# Altium PCB 10515.0501_主板(8拼版)_V1.0-20200907.PcbDoc (part 3 of 6)
Units mm, origin at the board's own origin, x right, y up, seen from the top; angles counter-clockwise.
Board outline 229.4 x 126.82 mm, 2 copper layers (Top Layer, Bottom Layer); 560 components, 0 nets, 2350 pads, 1248 vias.
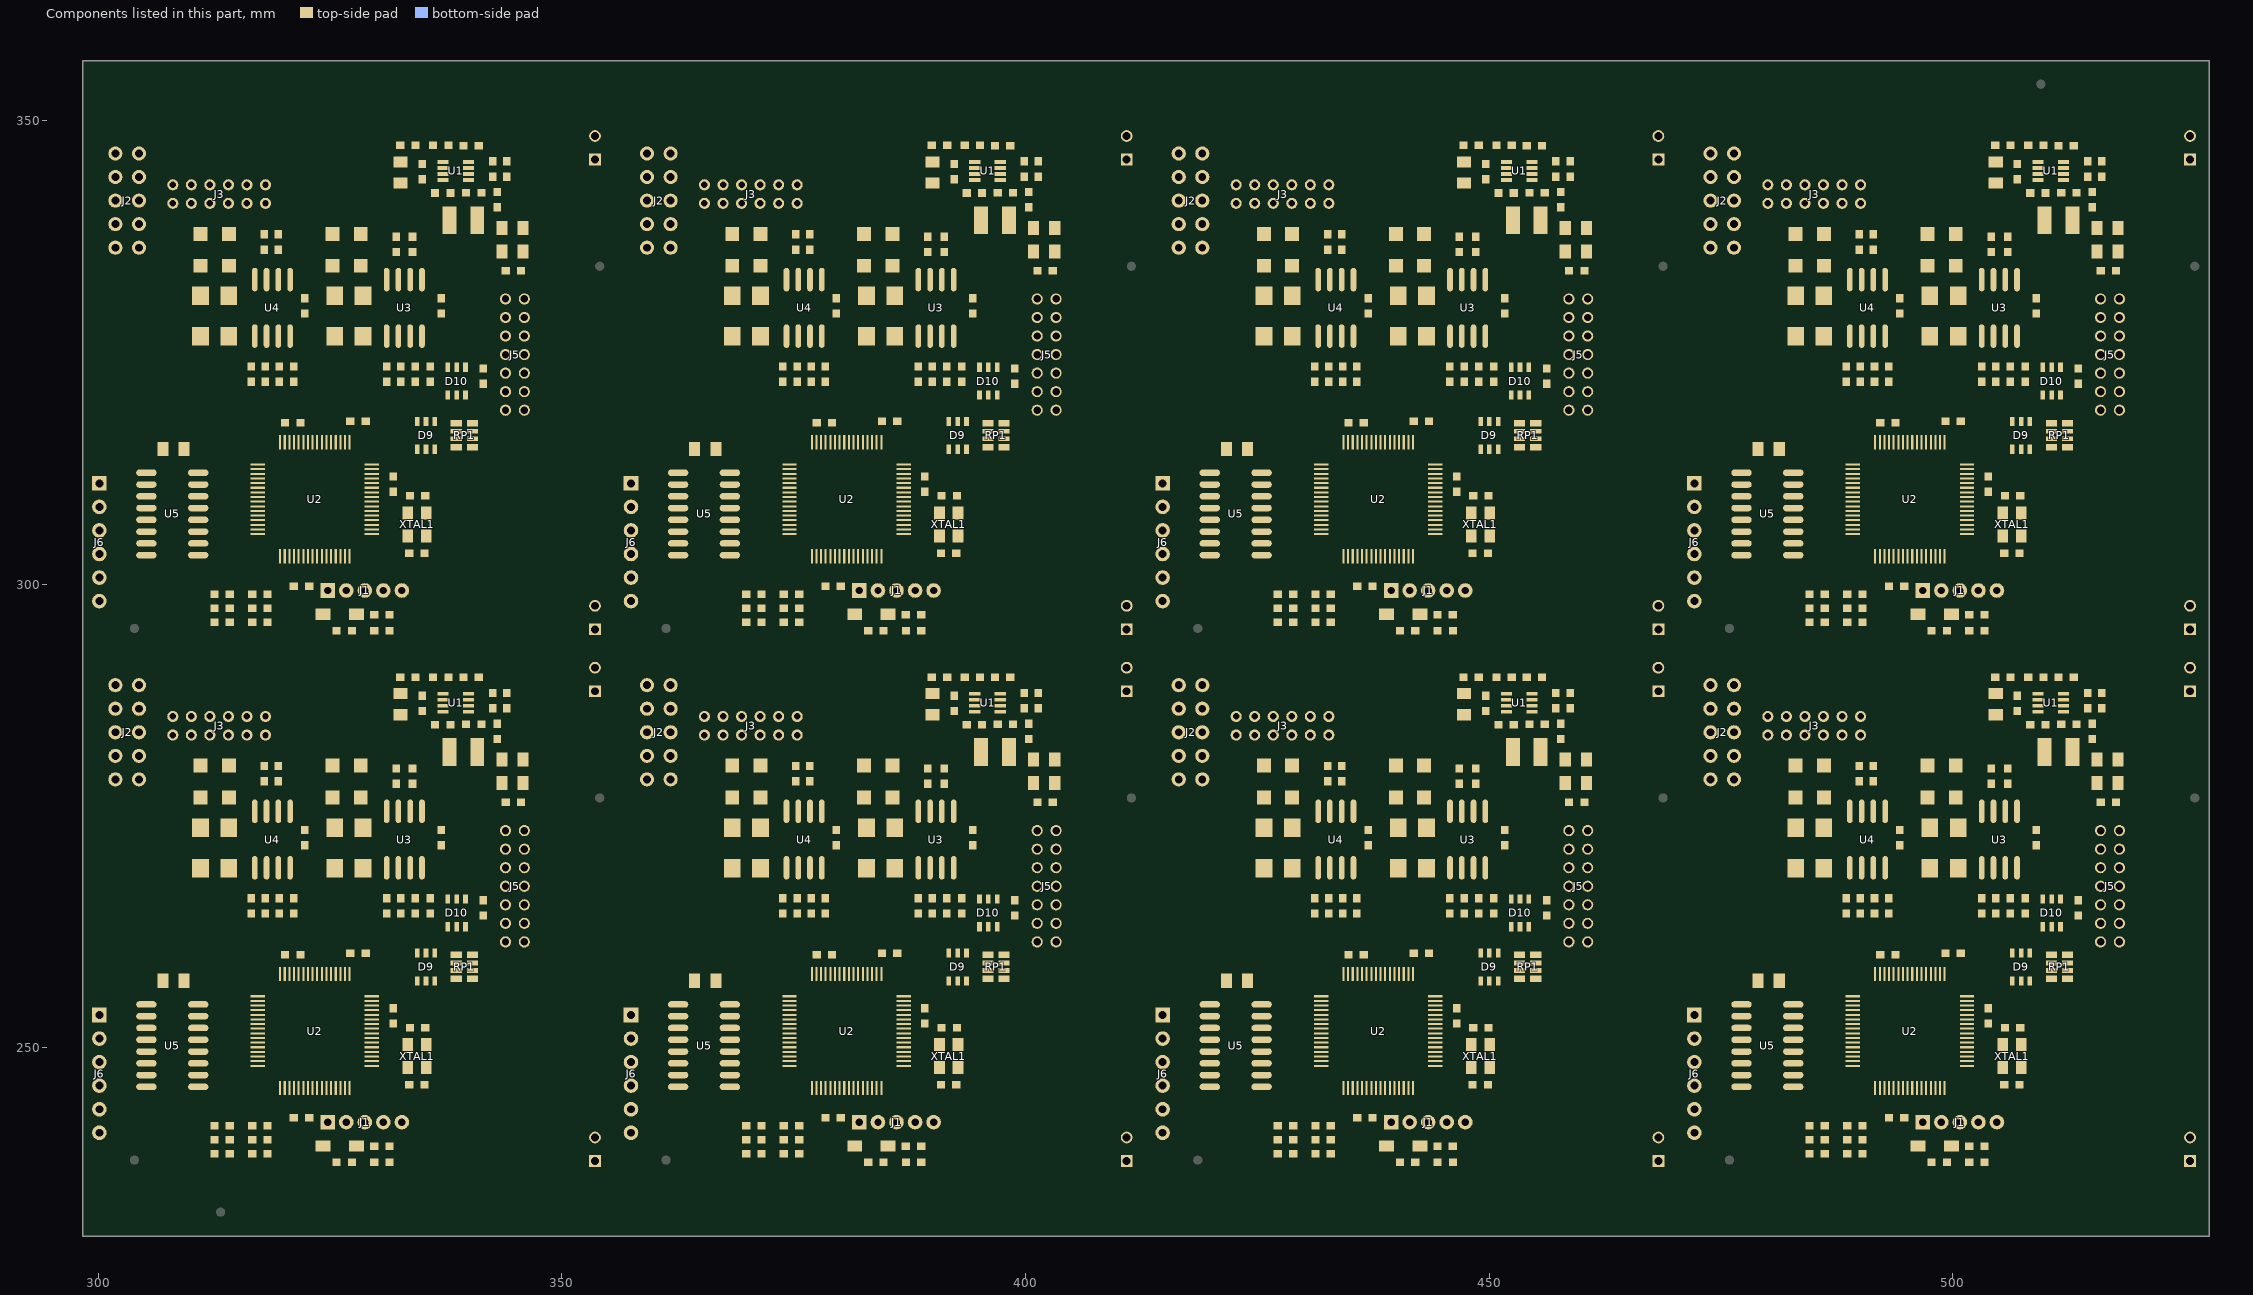
[diagram p3: the components of this part, seen from the top]

## Via types
v1: diameter 0.7, hole 0.4, Top Layer to Bottom Layer, tented both sides, 1248 vias

## Nets (pads, with @x,y where several pads share a name; then routed paths per layer and width w, separated by ;. In a path a pad name is that pad's centre, name@x,y a point inside that pad or via, vN(x,y) a via of type N, cw(c..) or ccw(c..) an arc to the next point about the centre after c; other vN are vias at no path point) (continued)
copper on no net: (continued)
  Top Layer w0.4: 312.522,238.554 312.522,240.078 312.522,241.602 v1@312.522,242.72 ; 312.522,295.904 312.522,297.428 312.522,298.952 v1@312.522,300.07 ; 314.173,238.554 v1(315.341,238.554) 316.586,238.554 ; 314.173,240.078 v1(315.341,240.078) 316.586,240.078 ; 314.173,241.602 316.586,241.602 ; 314.173,295.904 v1(315.341,295.904) 316.586,295.904 ; 314.173,297.428 v1(315.341,297.428) 316.586,297.428 ; 314.173,298.952 316.586,298.952 ; 318.237,238.554 318.237,240.078 ; 318.237,241.602 318.237,240.078 ; 318.237,295.904 318.237,297.428 ; 318.237,298.952 318.237,297.428 ; 321.081,242.441 321.081,240.078 ; 321.081,299.791 321.081,297.428 ; 322.249,273.504 v1(323.19,273.504) 323.444,273.504 323.813,273.135 323.813,269.706 v1(324.129,269.39) 325.501,269.39 ; 322.249,330.854 v1(323.19,330.854) 323.444,330.854 323.813,330.485 323.813,327.056 v1(324.129,326.74) 325.501,326.74 ; 322.503,271.853 v1(323.063,271.853) v1(323.063,265.097) ; 322.503,329.203 v1(323.063,329.203) v1(323.063,322.447) ; 324.239,239.427 324.739,239.927 324.739,241.983 ; 324.239,296.777 324.739,297.277 324.739,299.333 ; 324.588,240.078 321.081,240.078 ; 324.588,297.428 321.081,297.428 ; 328.549,269.39 328.549,265.097 328.828,264.818 ; 328.549,326.74 328.549,322.447 328.828,322.168 ; 328.828,260.221 328.828,264.818 ; 328.828,317.571 328.828,322.168 ; v1(330.835,263.319) 330.835,260.525 331.137,260.223 334.391,260.223 334.391,259.509 334.753,259.147 335.153,259.147 338.606,259.147 ; v1(330.835,320.669) 330.835,317.875 331.137,317.573 334.391,317.573 334.391,316.859 334.753,316.497 335.153,316.497 338.606,316.497 ; 331.089,264.487 329.159,264.487 328.828,264.818 ; 331.089,321.837 329.159,321.837 328.828,322.168 ; 331.093,275.518 v1(331.093,277.285) ; 331.093,332.868 v1(331.093,334.635) ; 331.801,252.626 332.08,252.626 332.613,253.159 335.153,253.159 ; 331.801,254.277 340.233,254.277 ; 331.801,309.976 332.08,309.976 332.613,310.509 335.153,310.509 ; 331.801,311.627 340.233,311.627 ; 334.179,264.487 334.179,263.277 334.645,262.811 v1(335.341,262.811) 335.341,260.223 ; 334.179,321.837 334.179,320.627 334.645,320.161 v1(335.341,320.161) 335.341,317.573 ; 334.391,257.223 334.391,257.858 334.88,258.347 338.606,258.347 ; 334.391,314.573 334.391,315.208 334.88,315.697 338.606,315.697 ; v1@334.949,285.744 334.949,286.331 ; 334.949,287.982 335.37,287.561 337.185,287.561 ; v1@334.949,343.094 334.949,343.681 ; 334.949,345.332 335.37,344.911 337.185,344.911 ; v1(335.341,256.141) 335.341,257.223 ; v1(335.341,313.491) 335.341,314.573 ; 335.375,252.073 335.375,252.937 335.153,253.159 ; 335.375,309.423 335.375,310.287 335.153,310.509 ; 335.788,264.487 336.194,264.081 339.217,264.081 339.593,263.705 339.593,263.065 339.593,261.917 338.606,260.93 338.606,260.047 ; 335.788,321.837 336.194,321.431 339.217,321.431 339.593,321.055 339.593,320.415 339.593,319.267 338.606,318.28 338.606,317.397 ; 336.106,289.989 336.106,289.291 337.185,288.211 ; 336.106,347.339 336.106,346.641 337.185,345.561 ; 336.291,257.223 336.515,257.447 338.606,257.447 ; 336.291,314.573 336.515,314.797 338.606,314.797 ; 336.321,284.859 335.884,285.296 335.884,286.402 336.393,286.911 337.185,286.911 ; 336.321,342.209 335.884,342.646 335.884,343.752 336.393,344.261 337.185,344.261 ; v1(336.856,265.045) 337.058,264.843 338.963,264.843 339.598,265.478 339.598,266.065 341.361,266.065 ; v1(336.856,322.395) 337.058,322.193 338.963,322.193 339.598,322.828 339.598,323.415 341.361,323.415 ; 336.981,271.853 v1(338.201,271.853) 340.487,271.853 ; 336.981,273.504 v1(339.979,273.504) ; 336.981,329.203 v1(338.201,329.203) 340.487,329.203 ; 336.981,330.854 v1(339.979,330.854) ; 337.185,286.261 v1(338.373,286.261) 338.236,286.398 338.236,289.834 ; 337.185,343.611 v1(338.373,343.611) 338.236,343.748 338.236,347.184 ; v1(338.201,261.795) 338.643,262.237 338.643,263.065 ; v1(338.201,319.145) 338.643,319.587 338.643,320.415 ; 338.643,266.065 338.643,266.809 339.266,267.432 339.979,267.432 ; 338.643,323.415 338.643,324.159 339.266,324.782 339.979,324.782 ; v1(339.725,253.159) 335.153,253.159 ; v1(339.725,310.509) 335.153,310.509 ; 339.931,286.261 340.469,286.261 341.312,285.417 341.312,284.909 ; 339.931,286.911 v1(340.965,286.911) ; 339.931,287.561 339.105,287.561 338.836,287.83 338.836,288.592 339.217,288.973 340.718,288.973 341.02,289.276 341.02,289.962 ; 339.931,288.211 342.455,288.211 ; 339.931,343.611 340.469,343.611 341.312,342.767 341.312,342.259 ; 339.931,344.261 v1(340.965,344.261) ; 339.931,344.911 339.105,344.911 338.836,345.18 338.836,345.942 339.217,346.323 340.718,346.323 341.02,346.626 341.02,347.312 ; 339.931,345.561 342.455,345.561 ; 340.335,254.277 340.233,254.277 ; 340.335,311.627 340.233,311.627 ; v1@340.487,267.432 340.946,267.891 v1(340.995,267.891) ; v1@340.487,324.782 340.946,325.241 v1(340.995,325.241) ; v1(340.995,251.889) 340.995,254.277 ; v1(340.995,256.207) 340.995,254.277 ; v1(340.995,267.432) v1(340.995,267.891) ; 340.995,268.399 340.028,267.432 339.979,267.432 ; 340.995,271.447 340.893,271.447 340.487,271.853 ; 340.995,271.853 340.487,271.853 ; 340.995,272.361 340.487,271.853 ; v1(340.995,309.239) 340.995,311.627 ; v1(340.995,313.557) 340.995,311.627 ; v1(340.995,324.782) v1(340.995,325.241) ; 340.995,325.749 340.028,324.782 339.979,324.782 ; 340.995,328.797 340.893,328.797 340.487,329.203 ; 340.995,329.203 340.487,329.203 ; 340.995,329.711 340.487,329.203 ; 342.011,267.432 341.886,267.557 341.866,267.557 341.249,268.174 341.249,268.399 ; 342.011,324.782 341.886,324.907 341.866,324.907 341.249,325.524 341.249,325.749 ; 343.637,276.781 341.757,276.781 341.453,276.477 ; 343.637,334.131 341.757,334.131 341.453,333.827 ; 343.916,273.432 345.948,273.432 ; 343.916,330.782 345.948,330.782 ; 343.941,276.477 341.961,276.477 ; 343.941,333.827 341.961,333.827 ; 345.948,267.432 343.916,267.432 341.708,267.432 ; 345.948,269.432 343.916,269.432 v1(342.519,269.432) ; 345.948,324.782 343.916,324.782 341.708,324.782 ; 345.948,326.782 343.916,326.782 v1(342.519,326.782) ; 369.872,238.554 369.872,240.078 369.872,241.602 v1@369.872,242.72 ; 369.872,295.904 369.872,297.428 369.872,298.952 v1@369.872,300.07 ; 371.523,238.554 v1(372.691,238.554) 373.936,238.554 ; 371.523,240.078 v1(372.691,240.078) 373.936,240.078 ; 371.523,241.602 373.936,241.602 ; 371.523,295.904 v1(372.691,295.904) 373.936,295.904 ; 371.523,297.428 v1(372.691,297.428) 373.936,297.428 ; 371.523,298.952 373.936,298.952 ; 375.587,238.554 375.587,240.078 ; 375.587,241.602 375.587,240.078 ; 375.587,295.904 375.587,297.428 ; 375.587,298.952 375.587,297.428 ; 378.431,242.441 378.431,240.078 ; 378.431,299.791 378.431,297.428 ; 379.599,273.504 v1(380.54,273.504) 380.794,273.504 381.163,273.135 381.163,269.706 v1(381.479,269.39) 382.851,269.39 ; 379.599,330.854 v1(380.54,330.854) 380.794,330.854 381.163,330.485 381.163,327.056 v1(381.479,326.74) 382.851,326.74 ; 379.853,271.853 v1(380.413,271.853) v1(380.413,265.097) ; 379.853,329.203 v1(380.413,329.203) v1(380.413,322.447) ; 381.589,239.427 382.089,239.927 382.089,241.983 ; 381.589,296.777 382.089,297.277 382.089,299.333 ; 381.938,240.078 378.431,240.078 ; 381.938,297.428 378.431,297.428 ; 385.899,269.39 385.899,265.097 386.178,264.818 ; 385.899,326.74 385.899,322.447 386.178,322.168 ; 386.178,260.221 386.178,264.818 ; 386.178,317.571 386.178,322.168 ; v1(388.185,263.319) 388.185,260.525 388.487,260.223 391.741,260.223 391.741,259.509 392.103,259.147 392.503,259.147 395.956,259.147 ; v1(388.185,320.669) 388.185,317.875 388.487,317.573 391.741,317.573 391.741,316.859 392.103,316.497 392.503,316.497 395.956,316.497 ; 388.439,264.487 386.509,264.487 386.178,264.818 ; 388.439,321.837 386.509,321.837 386.178,322.168 ; 388.443,275.518 v1(388.443,277.285) ; 388.443,332.868 v1(388.443,334.635) ; 389.151,252.626 389.43,252.626 389.963,253.159 392.503,253.159 ; 389.151,254.277 397.583,254.277 ; 389.151,309.976 389.43,309.976 389.963,310.509 392.503,310.509 ; 389.151,311.627 397.583,311.627 ; 391.529,264.487 391.529,263.277 391.995,262.811 v1(392.691,262.811) 392.691,260.223 ; 391.529,321.837 391.529,320.627 391.995,320.161 v1(392.691,320.161) 392.691,317.573 ; 391.741,257.223 391.741,257.858 392.23,258.347 395.956,258.347 ; 391.741,314.573 391.741,315.208 392.23,315.697 395.956,315.697 ; v1@392.299,285.744 392.299,286.331 ; 392.299,287.982 392.72,287.561 394.535,287.561 ; v1@392.299,343.094 392.299,343.681 ; 392.299,345.332 392.72,344.911 394.535,344.911 ; v1(392.691,256.141) 392.691,257.223 ; v1(392.691,313.491) 392.691,314.573 ; 392.725,252.073 392.725,252.937 392.503,253.159 ; 392.725,309.423 392.725,310.287 392.503,310.509 ; 393.138,264.487 393.544,264.081 396.567,264.081 396.943,263.705 396.943,263.065 396.943,261.917 395.956,260.93 395.956,260.047 ; 393.138,321.837 393.544,321.431 396.567,321.431 396.943,321.055 396.943,320.415 396.943,319.267 395.956,318.28 395.956,317.397 ; 393.455,289.989 393.455,289.291 394.535,288.211 ; 393.455,347.339 393.455,346.641 394.535,345.561 ; 393.641,257.223 393.865,257.447 395.956,257.447 ; 393.641,314.573 393.865,314.797 395.956,314.797 ; 393.671,284.859 393.234,285.296 393.234,286.402 393.743,286.911 394.535,286.911 ; 393.671,342.209 393.234,342.646 393.234,343.752 393.743,344.261 394.535,344.261 ; v1(394.206,265.045) 394.408,264.843 396.313,264.843 396.948,265.478 396.948,266.065 398.711,266.065 ; v1(394.206,322.395) 394.408,322.193 396.313,322.193 396.948,322.828 396.948,323.415 398.711,323.415 ; 394.331,271.853 v1(395.551,271.853) 397.837,271.853 ; 394.331,273.504 v1(397.329,273.504) ; 394.331,329.203 v1(395.551,329.203) 397.837,329.203 ; 394.331,330.854 v1(397.329,330.854) ; 394.535,286.261 v1(395.723,286.261) 395.586,286.398 395.586,289.834 ; 394.535,343.611 v1(395.723,343.611) 395.586,343.748 395.586,347.184 ; v1(395.551,261.795) 395.993,262.237 395.993,263.065 ; v1(395.551,319.145) 395.993,319.587 395.993,320.415 ; 395.993,266.065 395.993,266.809 396.616,267.432 397.329,267.432 ; 395.993,323.415 395.993,324.159 396.616,324.782 397.329,324.782 ; v1(397.075,253.159) 392.503,253.159 ; v1(397.075,310.509) 392.503,310.509 ; 397.281,286.261 397.819,286.261 398.662,285.417 398.662,284.909 ; 397.281,286.911 v1(398.315,286.911) ; 397.281,287.561 396.455,287.561 396.186,287.83 396.186,288.592 396.567,288.973 398.068,288.973 398.37,289.276 398.37,289.962 ; 397.281,288.211 399.805,288.211 ; 397.281,343.611 397.819,343.611 398.662,342.767 398.662,342.259 ; 397.281,344.261 v1(398.315,344.261) ; 397.281,344.911 396.455,344.911 396.186,345.18 396.186,345.942 396.567,346.323 398.068,346.323 398.37,346.626 398.37,347.312 ; 397.281,345.561 399.805,345.561 ; 397.685,254.277 397.583,254.277 ; 397.685,311.627 397.583,311.627 ; v1@397.837,267.432 398.296,267.891 v1(398.345,267.891) ; v1@397.837,324.782 398.296,325.241 v1(398.345,325.241) ; v1(398.345,251.889) 398.345,254.277 ; v1(398.345,256.207) 398.345,254.277 ; v1(398.345,267.432) v1(398.345,267.891) ; 398.345,268.399 397.378,267.432 397.329,267.432 ; 398.345,271.447 398.243,271.447 397.837,271.853 ; 398.345,271.853 397.837,271.853 ; 398.345,272.361 397.837,271.853 ; v1(398.345,309.239) 398.345,311.627 ; v1(398.345,313.557) 398.345,311.627 ; v1(398.345,324.782) v1(398.345,325.241) ; 398.345,325.749 397.378,324.782 397.329,324.782 ; 398.345,328.797 398.243,328.797 397.837,329.203 ; 398.345,329.203 397.837,329.203 ; 398.345,329.711 397.837,329.203 ; 399.361,267.432 399.236,267.557 399.216,267.557 398.599,268.174 398.599,268.399 ; 399.361,324.782 399.236,324.907 399.216,324.907 398.599,325.524 398.599,325.749 ; 400.987,276.781 399.107,276.781 398.803,276.477 ; 400.987,334.131 399.107,334.131 398.803,333.827 ; 401.266,273.432 403.298,273.432 ; 401.266,330.782 403.298,330.782 ; 401.291,276.477 399.311,276.477 ; 401.291,333.827 399.311,333.827 ; 403.298,267.432 401.266,267.432 399.058,267.432 ; 403.298,269.432 401.266,269.432 v1(399.869,269.432) ; 403.298,324.782 401.266,324.782 399.058,324.782 ; 403.298,326.782 401.266,326.782 v1(399.869,326.782) ; 427.222,238.554 427.222,240.078 427.222,241.602 v1@427.222,242.72 ; 427.222,295.904 427.222,297.428 427.222,298.952 v1@427.222,300.07 ; 428.873,238.554 v1(430.041,238.554) 431.286,238.554 ; 428.873,240.078 v1(430.041,240.078) 431.286,240.078 ; 428.873,241.602 431.286,241.602 ; 428.873,295.904 v1(430.041,295.904) 431.286,295.904 ; 428.873,297.428 v1(430.041,297.428) 431.286,297.428 ; 428.873,298.952 431.286,298.952 ; 432.937,238.554 432.937,240.078 ; 432.937,241.602 432.937,240.078 ; 432.937,295.904 432.937,297.428 ; 432.937,298.952 432.937,297.428 ; 435.781,242.441 435.781,240.078 ; 435.781,299.791 435.781,297.428 ; 436.949,273.504 v1(437.89,273.504) 438.144,273.504 438.513,273.135 438.513,269.706 v1(438.829,269.39) 440.201,269.39 ; 436.949,330.854 v1(437.89,330.854) 438.144,330.854 438.513,330.485 438.513,327.056 v1(438.829,326.74) 440.201,326.74 ; 437.203,271.853 v1(437.763,271.853) v1(437.763,265.097) ; 437.203,329.203 v1(437.763,329.203) v1(437.763,322.447) ; 438.939,239.427 439.439,239.927 439.439,241.983 ; 438.939,296.777 439.439,297.277 439.439,299.333 ; 439.288,240.078 435.781,240.078 ; 439.288,297.428 435.781,297.428 ; 443.249,269.39 443.249,265.097 443.528,264.818 ; 443.249,326.74 443.249,322.447 443.528,322.168 ; 443.528,260.221 443.528,264.818 ; 443.528,317.571 443.528,322.168 ; v1(445.535,263.319) 445.535,260.525 445.837,260.223 449.091,260.223 449.091,259.509 449.453,259.147 449.853,259.147 453.306,259.147 ; v1(445.535,320.669) 445.535,317.875 445.837,317.573 449.091,317.573 449.091,316.859 449.453,316.497 449.853,316.497 453.306,316.497 ; 445.789,264.487 443.859,264.487 443.528,264.818 ; 445.789,321.837 443.859,321.837 443.528,322.168 ; 445.793,275.518 v1(445.793,277.285) ; 445.793,332.868 v1(445.793,334.635) ; 446.501,252.626 446.78,252.626 447.313,253.159 449.853,253.159 ; 446.501,254.277 454.933,254.277 ; 446.501,309.976 446.78,309.976 447.313,310.509 449.853,310.509 ; 446.501,311.627 454.933,311.627 ; 448.879,264.487 448.879,263.277 449.345,262.811 v1(450.041,262.811) 450.041,260.223 ; 448.879,321.837 448.879,320.627 449.345,320.161 v1(450.041,320.161) 450.041,317.573 ; 449.091,257.223 449.091,257.858 449.58,258.347 453.306,258.347 ; 449.091,314.573 449.091,315.208 449.58,315.697 453.306,315.697 ; v1@449.649,285.744 449.649,286.331 ; 449.649,287.982 450.07,287.561 451.885,287.561 ; v1@449.649,343.094 449.649,343.681 ; 449.649,345.332 450.07,344.911 451.885,344.911 ; v1(450.041,256.141) 450.041,257.223 ; v1(450.041,313.491) 450.041,314.573 ; 450.075,252.073 450.075,252.937 449.853,253.159 ; 450.075,309.423 450.075,310.287 449.853,310.509 ; 450.488,264.487 450.894,264.081 453.917,264.081 454.293,263.705 454.293,263.065 454.293,261.917 453.306,260.93 453.306,260.047 ; 450.488,321.837 450.894,321.431 453.917,321.431 454.293,321.055 454.293,320.415 454.293,319.267 453.306,318.28 453.306,317.397 ; 450.805,289.989 450.805,289.291 451.885,288.211 ; 450.805,347.339 450.805,346.641 451.885,345.561 ; 450.991,257.223 451.215,257.447 453.306,257.447 ; 450.991,314.573 451.215,314.797 453.306,314.797 ; 451.021,284.859 450.584,285.296 450.584,286.402 451.093,286.911 451.885,286.911 ; 451.021,342.209 450.584,342.646 450.584,343.752 451.093,344.261 451.885,344.261 ; v1(451.556,265.045) 451.758,264.843 453.663,264.843 454.298,265.478 454.298,266.065 456.061,266.065 ; v1(451.556,322.395) 451.758,322.193 453.663,322.193 454.298,322.828 454.298,323.415 456.061,323.415 ; 451.681,271.853 v1(452.901,271.853) 455.187,271.853 ; 451.681,273.504 v1(454.679,273.504) ; 451.681,329.203 v1(452.901,329.203) 455.187,329.203 ; 451.681,330.854 v1(454.679,330.854) ; 451.885,286.261 v1(453.073,286.261) 452.936,286.398 452.936,289.834 ; 451.885,343.611 v1(453.073,343.611) 452.936,343.748 452.936,347.184 ; v1(452.901,261.795) 453.343,262.237 453.343,263.065 ; v1(452.901,319.145) 453.343,319.587 453.343,320.415 ; 453.343,266.065 453.343,266.809 453.966,267.432 454.679,267.432 ; 453.343,323.415 453.343,324.159 453.966,324.782 454.679,324.782 ; v1(454.425,253.159) 449.853,253.159 ; v1(454.425,310.509) 449.853,310.509 ; 454.631,286.261 455.169,286.261 456.012,285.417 456.012,284.909 ; 454.631,286.911 v1(455.665,286.911) ; 454.631,287.561 453.805,287.561 453.536,287.83 453.536,288.592 453.917,288.973 455.418,288.973 455.72,289.276 455.72,289.962 ; 454.631,288.211 457.155,288.211 ; 454.631,343.611 455.169,343.611 456.012,342.767 456.012,342.259 ; 454.631,344.261 v1(455.665,344.261) ; 454.631,344.911 453.805,344.911 453.536,345.18 453.536,345.942 453.917,346.323 455.418,346.323 455.72,346.626 455.72,347.312 ; 454.631,345.561 457.155,345.561 ; 455.035,254.277 454.933,254.277 ; 455.035,311.627 454.933,311.627 ; v1@455.187,267.432 455.646,267.891 v1(455.695,267.891) ; v1@455.187,324.782 455.646,325.241 v1(455.695,325.241) ; v1(455.695,251.889) 455.695,254.277 ; v1(455.695,256.207) 455.695,254.277 ; v1(455.695,267.432) v1(455.695,267.891) ; 455.695,268.399 454.728,267.432 454.679,267.432 ; 455.695,271.447 455.593,271.447 455.187,271.853 ; 455.695,271.853 455.187,271.853 ; 455.695,272.361 455.187,271.853 ; v1(455.695,309.239) 455.695,311.627 ; v1(455.695,313.557) 455.695,311.627 ; v1(455.695,324.782) v1(455.695,325.241) ; 455.695,325.749 454.728,324.782 454.679,324.782 ; 455.695,328.797 455.593,328.797 455.187,329.203 ; 455.695,329.203 455.187,329.203 ; 455.695,329.711 455.187,329.203 ; 456.711,267.432 456.586,267.557 456.566,267.557 455.949,268.174 455.949,268.399 ; 456.711,324.782 456.586,324.907 456.566,324.907 455.949,325.524 455.949,325.749 ; 458.337,276.781 456.457,276.781 456.153,276.477 ; 458.337,334.131 456.457,334.131 456.153,333.827 ; 458.616,273.432 460.648,273.432 ; 458.616,330.782 460.648,330.782 ; 458.641,276.477 456.661,276.477 ; 458.641,333.827 456.661,333.827 ; 460.648,267.432 458.616,267.432 456.408,267.432 ; 460.648,269.432 458.616,269.432 v1(457.219,269.432) ; 460.648,324.782 458.616,324.782 456.408,324.782 ; 460.648,326.782 458.616,326.782 v1(457.219,326.782) ; 484.572,238.554 484.572,240.078 484.572,241.602 v1@484.572,242.72 ; 484.572,295.904 484.572,297.428 484.572,298.952 v1@484.572,300.07 ; 486.223,238.554 v1(487.391,238.554) 488.636,238.554 ; 486.223,240.078 v1(487.391,240.078) 488.636,240.078 ; 486.223,241.602 488.636,241.602 ; 486.223,295.904 v1(487.391,295.904) 488.636,295.904 ; 486.223,297.428 v1(487.391,297.428) 488.636,297.428 ; 486.223,298.952 488.636,298.952 ; 490.287,238.554 490.287,240.078 ; 490.287,241.602 490.287,240.078 ; 490.287,295.904 490.287,297.428 ; 490.287,298.952 490.287,297.428 ; 493.131,242.441 493.131,240.078 ; 493.131,299.791 493.131,297.428 ; 494.299,273.504 v1(495.24,273.504) 495.494,273.504 495.863,273.135 495.863,269.706 v1(496.179,269.39) 497.551,269.39 ; 494.299,330.854 v1(495.24,330.854) 495.494,330.854 495.863,330.485 495.863,327.056 v1(496.179,326.74) 497.551,326.74 ; 494.553,271.853 v1(495.113,271.853) v1(495.113,265.097) ; 494.553,329.203 v1(495.113,329.203) v1(495.113,322.447) ; 496.289,239.427 496.789,239.927 496.789,241.983 ; 496.289,296.777 496.789,297.277 496.789,299.333 ; 496.638,240.078 493.131,240.078 ; 496.638,297.428 493.131,297.428 ; 500.599,269.39 500.599,265.097 500.878,264.818 ; 500.599,326.74 500.599,322.447 500.878,322.168 ; 500.878,260.221 500.878,264.818 ; 500.878,317.571 500.878,322.168 ; v1(502.885,263.319) 502.885,260.525 503.187,260.223 506.441,260.223 506.441,259.509 506.803,259.147 507.203,259.147 510.656,259.147 ; v1(502.885,320.669) 502.885,317.875 503.187,317.573 506.441,317.573 506.441,316.859 506.803,316.497 507.203,316.497 510.656,316.497 ; 503.139,264.487 501.209,264.487 500.878,264.818 ; 503.139,321.837 501.209,321.837 500.878,322.168 ; 503.143,275.518 v1(503.143,277.285) ; 503.143,332.868 v1(503.143,334.635) ; 503.851,252.626 504.13,252.626 504.663,253.159 507.203,253.159 ; 503.851,254.277 512.283,254.277 ; 503.851,309.976 504.13,309.976 504.663,310.509 507.203,310.509 ; 503.851,311.627 512.283,311.627 ; 506.229,264.487 506.229,263.277 506.695,262.811 v1(507.391,262.811) 507.391,260.223 ; 506.229,321.837 506.229,320.627 506.695,320.161 v1(507.391,320.161) 507.391,317.573 ; 506.441,257.223 506.441,257.858 506.93,258.347 510.656,258.347 ; 506.441,314.573 506.441,315.208 506.93,315.697 510.656,315.697 ; v1@506.999,285.744 506.999,286.331 ; 506.999,287.982 507.42,287.561 509.235,287.561 ; v1@506.999,343.094 506.999,343.681 ; 506.999,345.332 507.42,344.911 509.235,344.911 ; v1(507.391,256.141) 507.391,257.223 ; v1(507.391,313.491) 507.391,314.573 ; 507.425,252.073 507.425,252.937 507.203,253.159 ; 507.425,309.423 507.425,310.287 507.203,310.509 ; 507.838,264.487 508.245,264.081 511.267,264.081 511.643,263.705 511.643,263.065 511.643,261.917 510.656,260.93 510.656,260.047 ; 507.838,321.837 508.245,321.431 511.267,321.431 511.643,321.055 511.643,320.415 511.643,319.267 510.656,318.28 510.656,317.397 ; 508.156,289.989 508.156,289.291 509.235,288.211 ; 508.156,347.339 508.156,346.641 509.235,345.561 ; 508.341,257.223 508.565,257.447 510.656,257.447 ; 508.341,314.573 508.565,314.797 510.656,314.797 ; 508.371,284.859 507.934,285.296 507.934,286.402 508.443,286.911 509.235,286.911 ; 508.371,342.209 507.934,342.646 507.934,343.752 508.443,344.261 509.235,344.261 ; v1(508.906,265.045) 509.108,264.843 511.013,264.843 511.648,265.478 511.648,266.065 513.411,266.065 ; v1(508.906,322.395) 509.108,322.193 511.013,322.193 511.648,322.828 511.648,323.415 513.411,323.415 ; 509.031,271.853 v1(510.251,271.853) 512.537,271.853 ; 509.031,273.504 v1(512.029,273.504) ; 509.031,329.203 v1(510.251,329.203) 512.537,329.203 ; 509.031,330.854 v1(512.029,330.854) ; 509.235,286.261 v1(510.423,286.261) 510.286,286.398 510.286,289.834 ; 509.235,343.611 v1(510.423,343.611) 510.286,343.748 510.286,347.184 ; v1(510.251,261.795) 510.693,262.237 510.693,263.065 ; v1(510.251,319.145) 510.693,319.587 510.693,320.415 ; 510.693,266.065 510.693,266.809 511.316,267.432 512.029,267.432 ; 510.693,323.415 510.693,324.159 511.316,324.782 512.029,324.782 ; v1(511.775,253.159) 507.203,253.159 ; v1(511.775,310.509) 507.203,310.509 ; 511.981,286.261 512.519,286.261 513.363,285.417 513.363,284.909 ; 511.981,286.911 v1(513.015,286.911) ; 511.981,287.561 511.155,287.561 510.886,287.83 510.886,288.592 511.267,288.973 512.768,288.973 513.07,289.276 513.07,289.962 ; 511.981,288.211 514.506,288.211 ; 511.981,343.611 512.519,343.611 513.363,342.767 513.363,342.259 ; 511.981,344.261 v1(513.015,344.261) ; 511.981,344.911 511.155,344.911 510.886,345.18 510.886,345.942 511.267,346.323 512.768,346.323 513.07,346.626 513.07,347.312 ; 511.981,345.561 514.506,345.561 ; 512.385,254.277 512.283,254.277 ; 512.385,311.627 512.283,311.627 ; v1@512.537,267.432 512.996,267.891 v1(513.045,267.891) ; v1@512.537,324.782 512.996,325.241 v1(513.045,325.241) ; v1(513.045,251.889) 513.045,254.277 ; v1(513.045,256.207) 513.045,254.277 ; v1(513.045,267.432) v1(513.045,267.891) ; 513.045,268.399 512.078,267.432 512.029,267.432 ; 513.045,271.447 512.943,271.447 512.537,271.853 ; 513.045,271.853 512.537,271.853 ; 513.045,272.361 512.537,271.853 ; v1(513.045,309.239) 513.045,311.627 ; v1(513.045,313.557) 513.045,311.627 ; v1(513.045,324.782) v1(513.045,325.241) ; 513.045,325.749 512.078,324.782 512.029,324.782 ; 513.045,328.797 512.943,328.797 512.537,329.203 ; 513.045,329.203 512.537,329.203 ; 513.045,329.711 512.537,329.203 ; 514.061,267.432 513.936,267.557 513.916,267.557 513.299,268.174 513.299,268.399 ; 514.061,324.782 513.936,324.907 513.916,324.907 513.299,325.524 513.299,325.749 ; 515.687,276.781 513.807,276.781 513.503,276.477 ; 515.687,334.131 513.807,334.131 513.503,333.827 ; 515.966,273.432 517.998,273.432 ; 515.966,330.782 517.998,330.782 ; 515.991,276.477 514.011,276.477 ; 515.991,333.827 514.011,333.827 ; 517.998,267.432 515.966,267.432 513.758,267.432 ; 517.998,269.432 515.966,269.432 v1(514.569,269.432) ; 517.998,324.782 515.966,324.782 513.758,324.782 ; 517.998,326.782 515.966,326.782 v1(514.569,326.782) ; 318.237,240.078 321.081,240.078 ; 318.237,297.428 321.081,297.428 ; 339.979,267.432 341.708,267.432 ; 339.979,324.782 341.708,324.782 ; 340.233,254.277 340.487,254.277 340.995,254.277 ; 340.233,311.627 340.487,311.627 340.995,311.627 ; v1(340.995,267.891) 340.995,275.257 ; 340.995,275.257 340.995,275.511 341.249,275.765 ; 340.995,275.257 340.995,276.019 341.453,276.477 ; v1(340.995,325.241) 340.995,332.607 ; 340.995,332.607 340.995,332.861 341.249,333.115 ; 340.995,332.607 340.995,333.369 341.453,333.827 ; 341.249,268.399 341.249,267.891 341.708,267.432 ; 341.249,268.399 341.249,275.765 ; 341.249,275.765 341.961,276.477 ; 341.249,325.749 341.249,325.241 341.708,324.782 ; 341.249,325.749 341.249,333.115 ; 341.249,333.115 341.961,333.827 ; 341.453,276.477 341.961,276.477 ; 341.453,333.827 341.961,333.827 ; v1(342.519,269.432) v1(342.519,273.479) 342.519,274.495 343.027,275.003 345.313,275.003 345.592,275.282 345.592,276.044 345.592,276.477 345.592,276.298 345.313,276.019 345.313,275.511 345.059,275.257 342.773,275.257 342.265,274.749 342.265,271.701 342.265,269.686 v1(342.519,269.432) ; v1(342.519,326.782) v1(342.519,330.829) 342.519,331.845 343.027,332.353 345.313,332.353 345.592,332.632 345.592,333.394 345.592,333.827 345.592,333.648 345.313,333.369 345.313,332.861 345.059,332.607 342.773,332.607 342.265,332.099 342.265,329.051 342.265,327.036 v1(342.519,326.782) ; 375.587,240.078 378.431,240.078 ; 375.587,297.428 378.431,297.428 ; 397.329,267.432 399.058,267.432 ; 397.329,324.782 399.058,324.782 ; 397.583,254.277 397.837,254.277 398.345,254.277 ; 397.583,311.627 397.837,311.627 398.345,311.627 ; v1(398.345,267.891) 398.345,275.257 ; 398.345,275.257 398.345,275.511 398.599,275.765 ; 398.345,275.257 398.345,276.019 398.803,276.477 ; v1(398.345,325.241) 398.345,332.607 ; 398.345,332.607 398.345,332.861 398.599,333.115 ; 398.345,332.607 398.345,333.369 398.803,333.827 ; 398.599,268.399 398.599,267.891 399.058,267.432 ; 398.599,268.399 398.599,275.765 ; 398.599,275.765 399.311,276.477 ; 398.599,325.749 398.599,325.241 399.058,324.782 ; 398.599,325.749 398.599,333.115 ; 398.599,333.115 399.311,333.827 ; 398.803,276.477 399.311,276.477 ; 398.803,333.827 399.311,333.827 ; v1(399.869,269.432) v1(399.869,273.479) 399.869,274.495 400.377,275.003 402.663,275.003 402.942,275.282 402.942,276.044 402.942,276.477 402.942,276.298 402.663,276.019 402.663,275.511 402.409,275.257 400.123,275.257 399.615,274.749 399.615,271.701 399.615,269.686 v1(399.869,269.432) ; v1(399.869,326.782) v1(399.869,330.829) 399.869,331.845 400.377,332.353 402.663,332.353 402.942,332.632 402.942,333.394 402.942,333.827 402.942,333.648 402.663,333.369 402.663,332.861 402.409,332.607 400.123,332.607 399.615,332.099 399.615,329.051 399.615,327.036 v1(399.869,326.782) ; 432.937,240.078 435.781,240.078 ; 432.937,297.428 435.781,297.428 ; 454.679,267.432 456.408,267.432 ; 454.679,324.782 456.408,324.782 ; 454.933,254.277 455.187,254.277 455.695,254.277 ; 454.933,311.627 455.187,311.627 455.695,311.627 ; v1(455.695,267.891) 455.695,275.257 ; 455.695,275.257 455.695,275.511 455.949,275.765 ; 455.695,275.257 455.695,276.019 456.153,276.477 ; v1(455.695,325.241) 455.695,332.607 ; 455.695,332.607 455.695,332.861 455.949,333.115 ; 455.695,332.607 455.695,333.369 456.153,333.827 ; 455.949,268.399 455.949,267.891 456.408,267.432 ; 455.949,268.399 455.949,275.765 ; 455.949,275.765 456.661,276.477 ; 455.949,325.749 455.949,325.241 456.408,324.782 ; 455.949,325.749 455.949,333.115 ; 455.949,333.115 456.661,333.827 ; 456.153,276.477 456.661,276.477 ; 456.153,333.827 456.661,333.827 ; v1(457.219,269.432) v1(457.219,273.479) 457.219,274.495 457.727,275.003 460.013,275.003 460.292,275.282 460.292,276.044 460.292,276.477 460.292,276.298 460.013,276.019 460.013,275.511 459.759,275.257 457.473,275.257 456.965,274.749 456.965,271.701 456.965,269.686 v1(457.219,269.432) ; v1(457.219,326.782) v1(457.219,330.829) 457.219,331.845 457.727,332.353 460.013,332.353 460.292,332.632 460.292,333.394 460.292,333.827 460.292,333.648 460.013,333.369 460.013,332.861 459.759,332.607 457.473,332.607 456.965,332.099 456.965,329.051 456.965,327.036 v1(457.219,326.782) ; 490.287,240.078 493.131,240.078 ; 490.287,297.428 493.131,297.428 ; 512.029,267.432 513.758,267.432 ; 512.029,324.782 513.758,324.782 ; 512.283,254.277 512.537,254.277 513.045,254.277 ; 512.283,311.627 512.537,311.627 513.045,311.627 ; v1(513.045,267.891) 513.045,275.257 ; 513.045,275.257 513.045,275.511 513.299,275.765 ; 513.045,275.257 513.045,276.019 513.503,276.477 ; v1(513.045,325.241) 513.045,332.607 ; 513.045,332.607 513.045,332.861 513.299,333.115 ; 513.045,332.607 513.045,333.369 513.503,333.827 ; 513.299,268.399 513.299,267.891 513.758,267.432 ; 513.299,268.399 513.299,275.765 ; 513.299,275.765 514.011,276.477 ; 513.299,325.749 513.299,325.241 513.758,324.782 ; 513.299,325.749 513.299,333.115 ; 513.299,333.115 514.011,333.827 ; 513.503,276.477 514.011,276.477 ; 513.503,333.827 514.011,333.827 ; v1(514.569,269.432) v1(514.569,273.479) 514.569,274.495 515.077,275.003 517.363,275.003 517.642,275.282 517.642,276.044 517.642,276.477 517.642,276.298 517.363,276.019 517.363,275.511 517.109,275.257 514.823,275.257 514.315,274.749 514.315,271.701 514.315,269.686 v1(514.569,269.432) ; v1(514.569,326.782) v1(514.569,330.829) 514.569,331.845 515.077,332.353 517.363,332.353 517.642,332.632 517.642,333.394 517.642,333.827 517.642,333.648 517.363,333.369 517.363,332.861 517.109,332.607 514.823,332.607 514.315,332.099 514.315,329.051 514.315,327.036 v1(514.569,326.782)